# Altium PCB Apalis-Smart-Vision-Baseboard.PcbDoc (part 1 of 6)
Units mm, origin at the board's own origin, x right, y up, seen from the top; angles counter-clockwise.
Board outline 100 x 70 mm, 4 copper layers (Top Layer, Power Plane, Ground Plane, Bottom Layer), stack 1.52 mm thick; 202 components, 197 nets, 1190 pads, 441 vias.
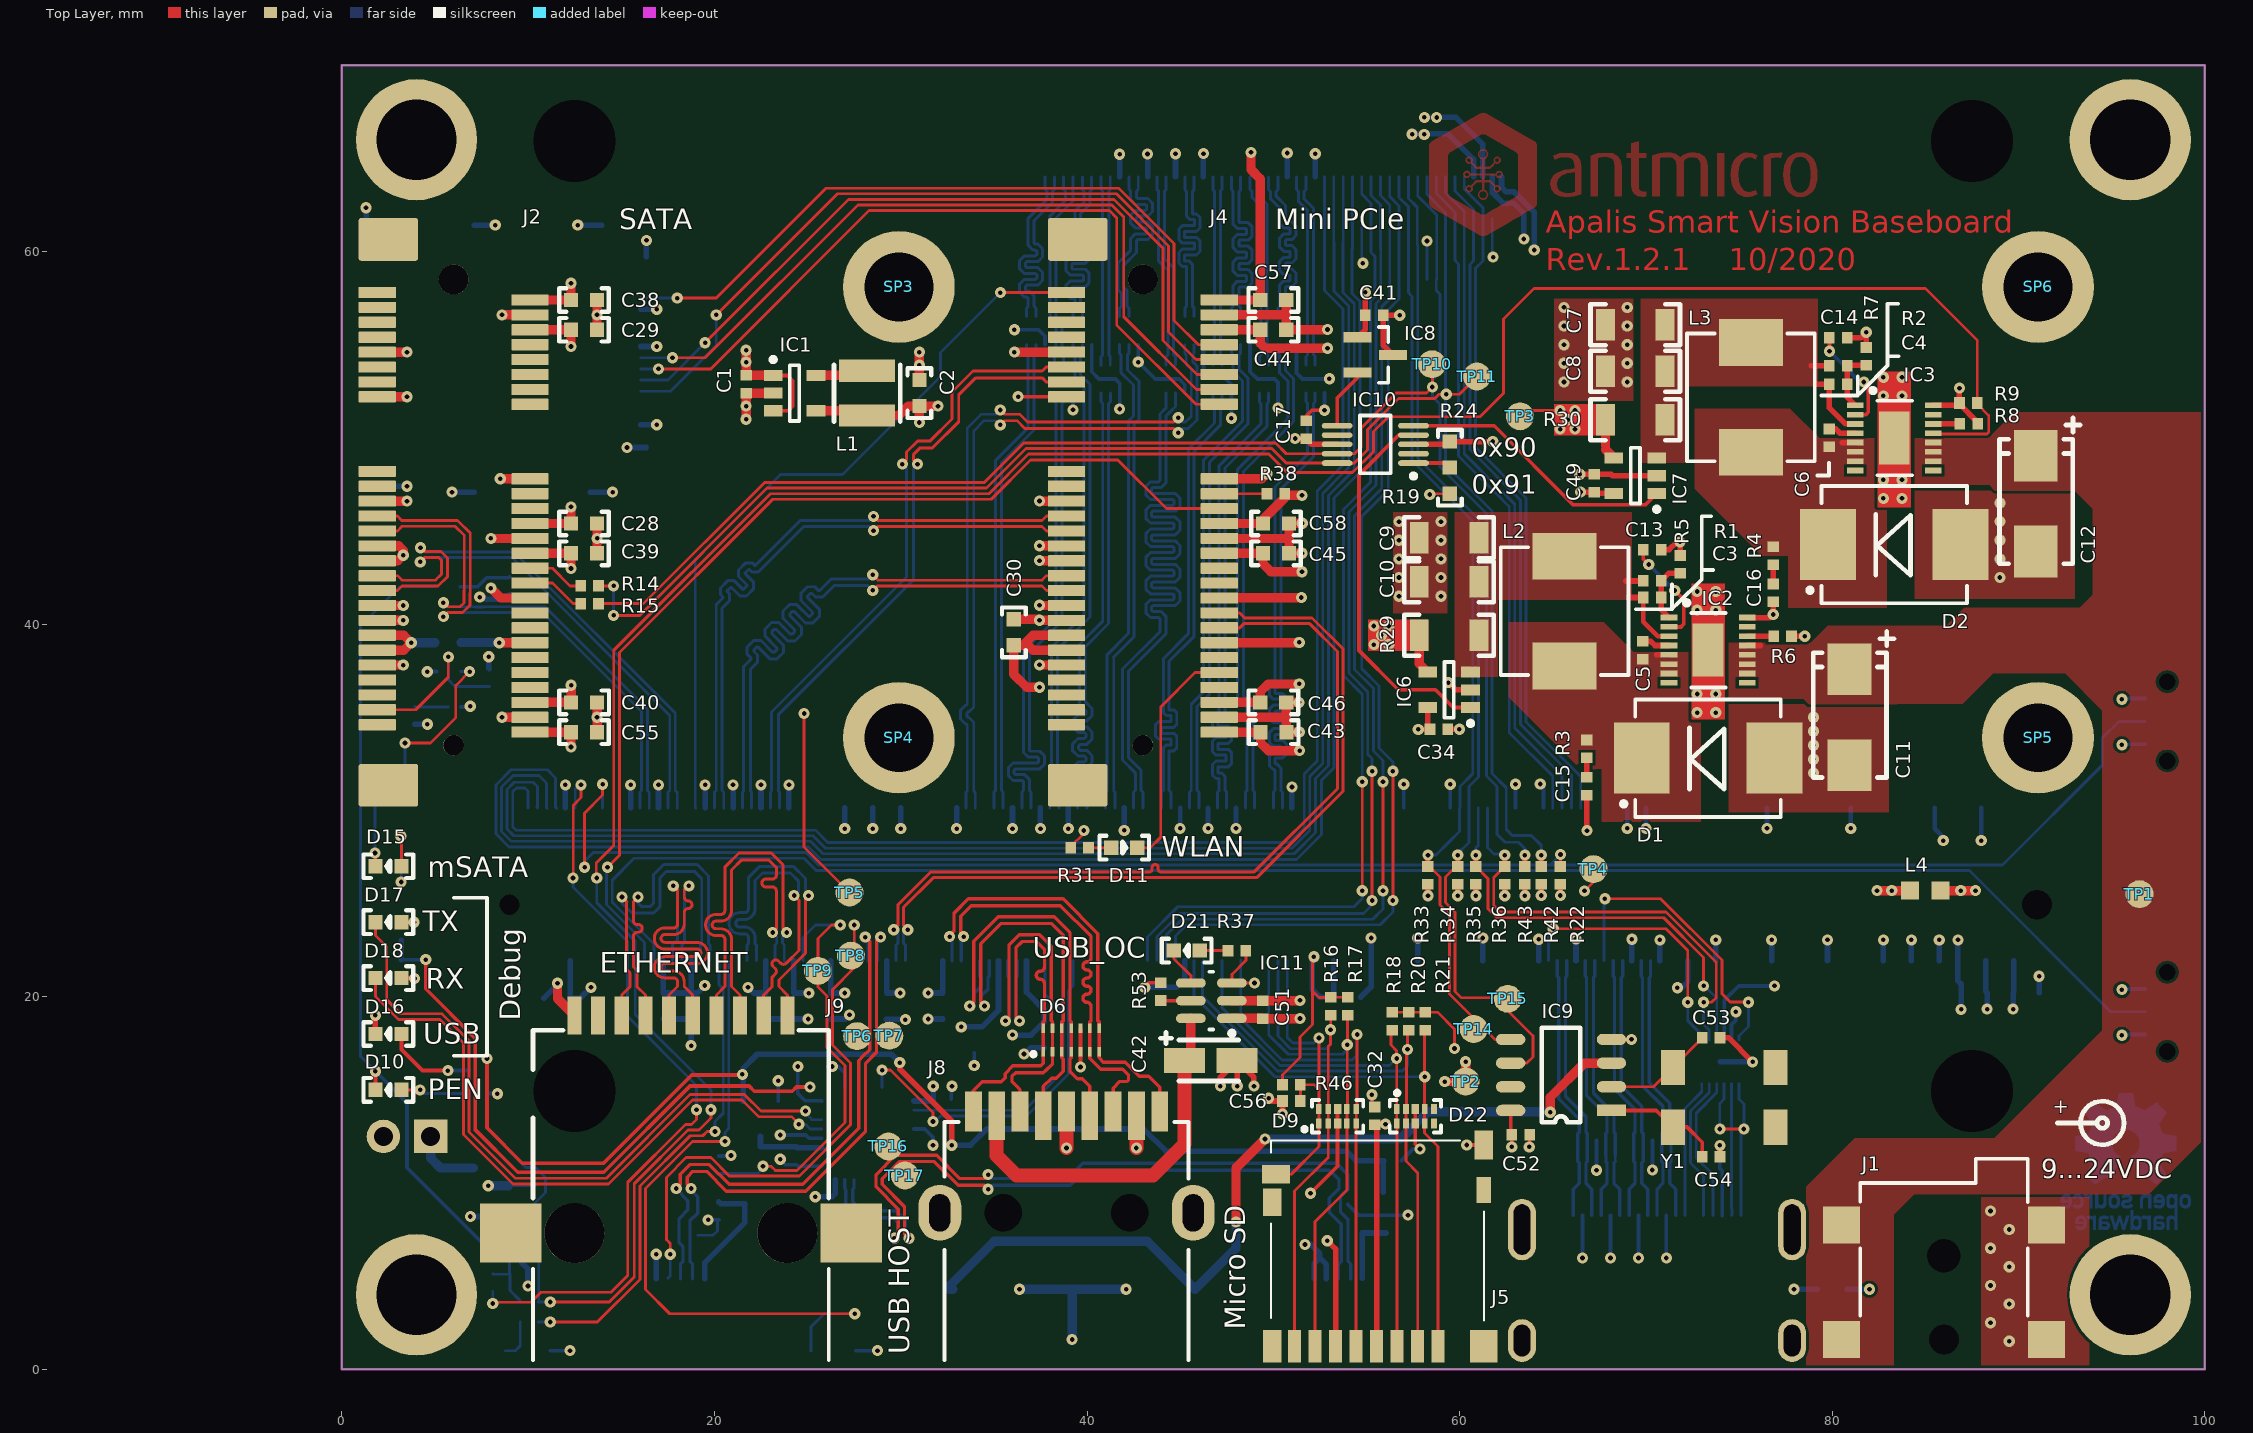
[diagram p0: Top Layer view]
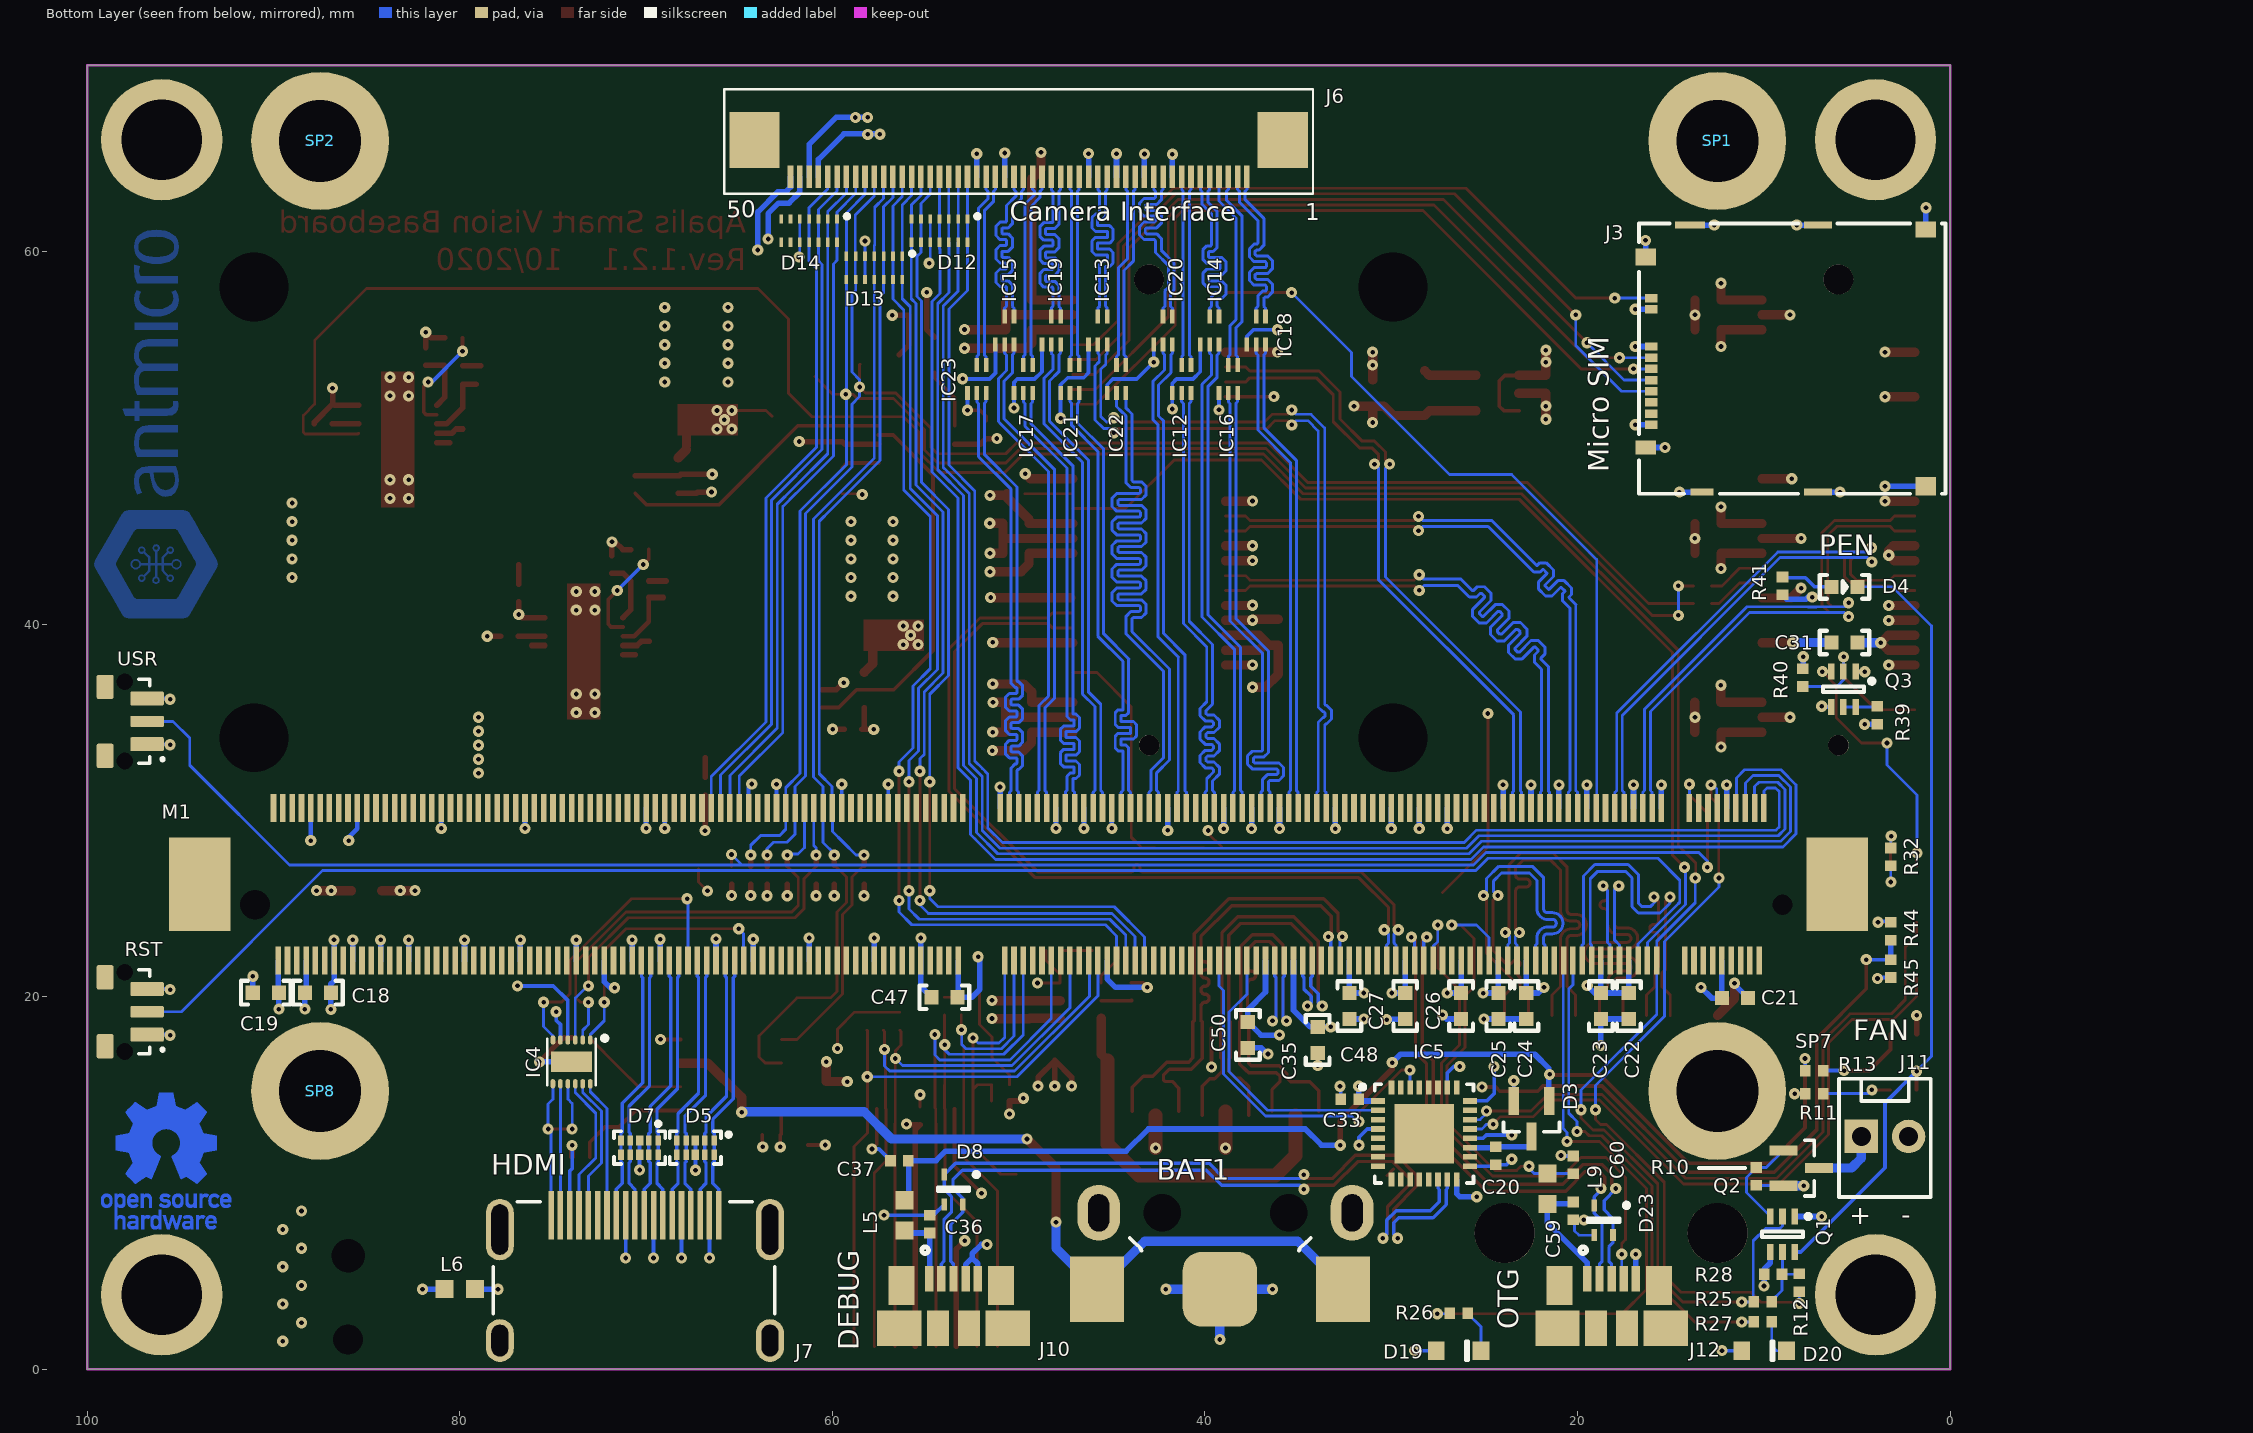
[diagram p1: Bottom Layer view, seen from below]
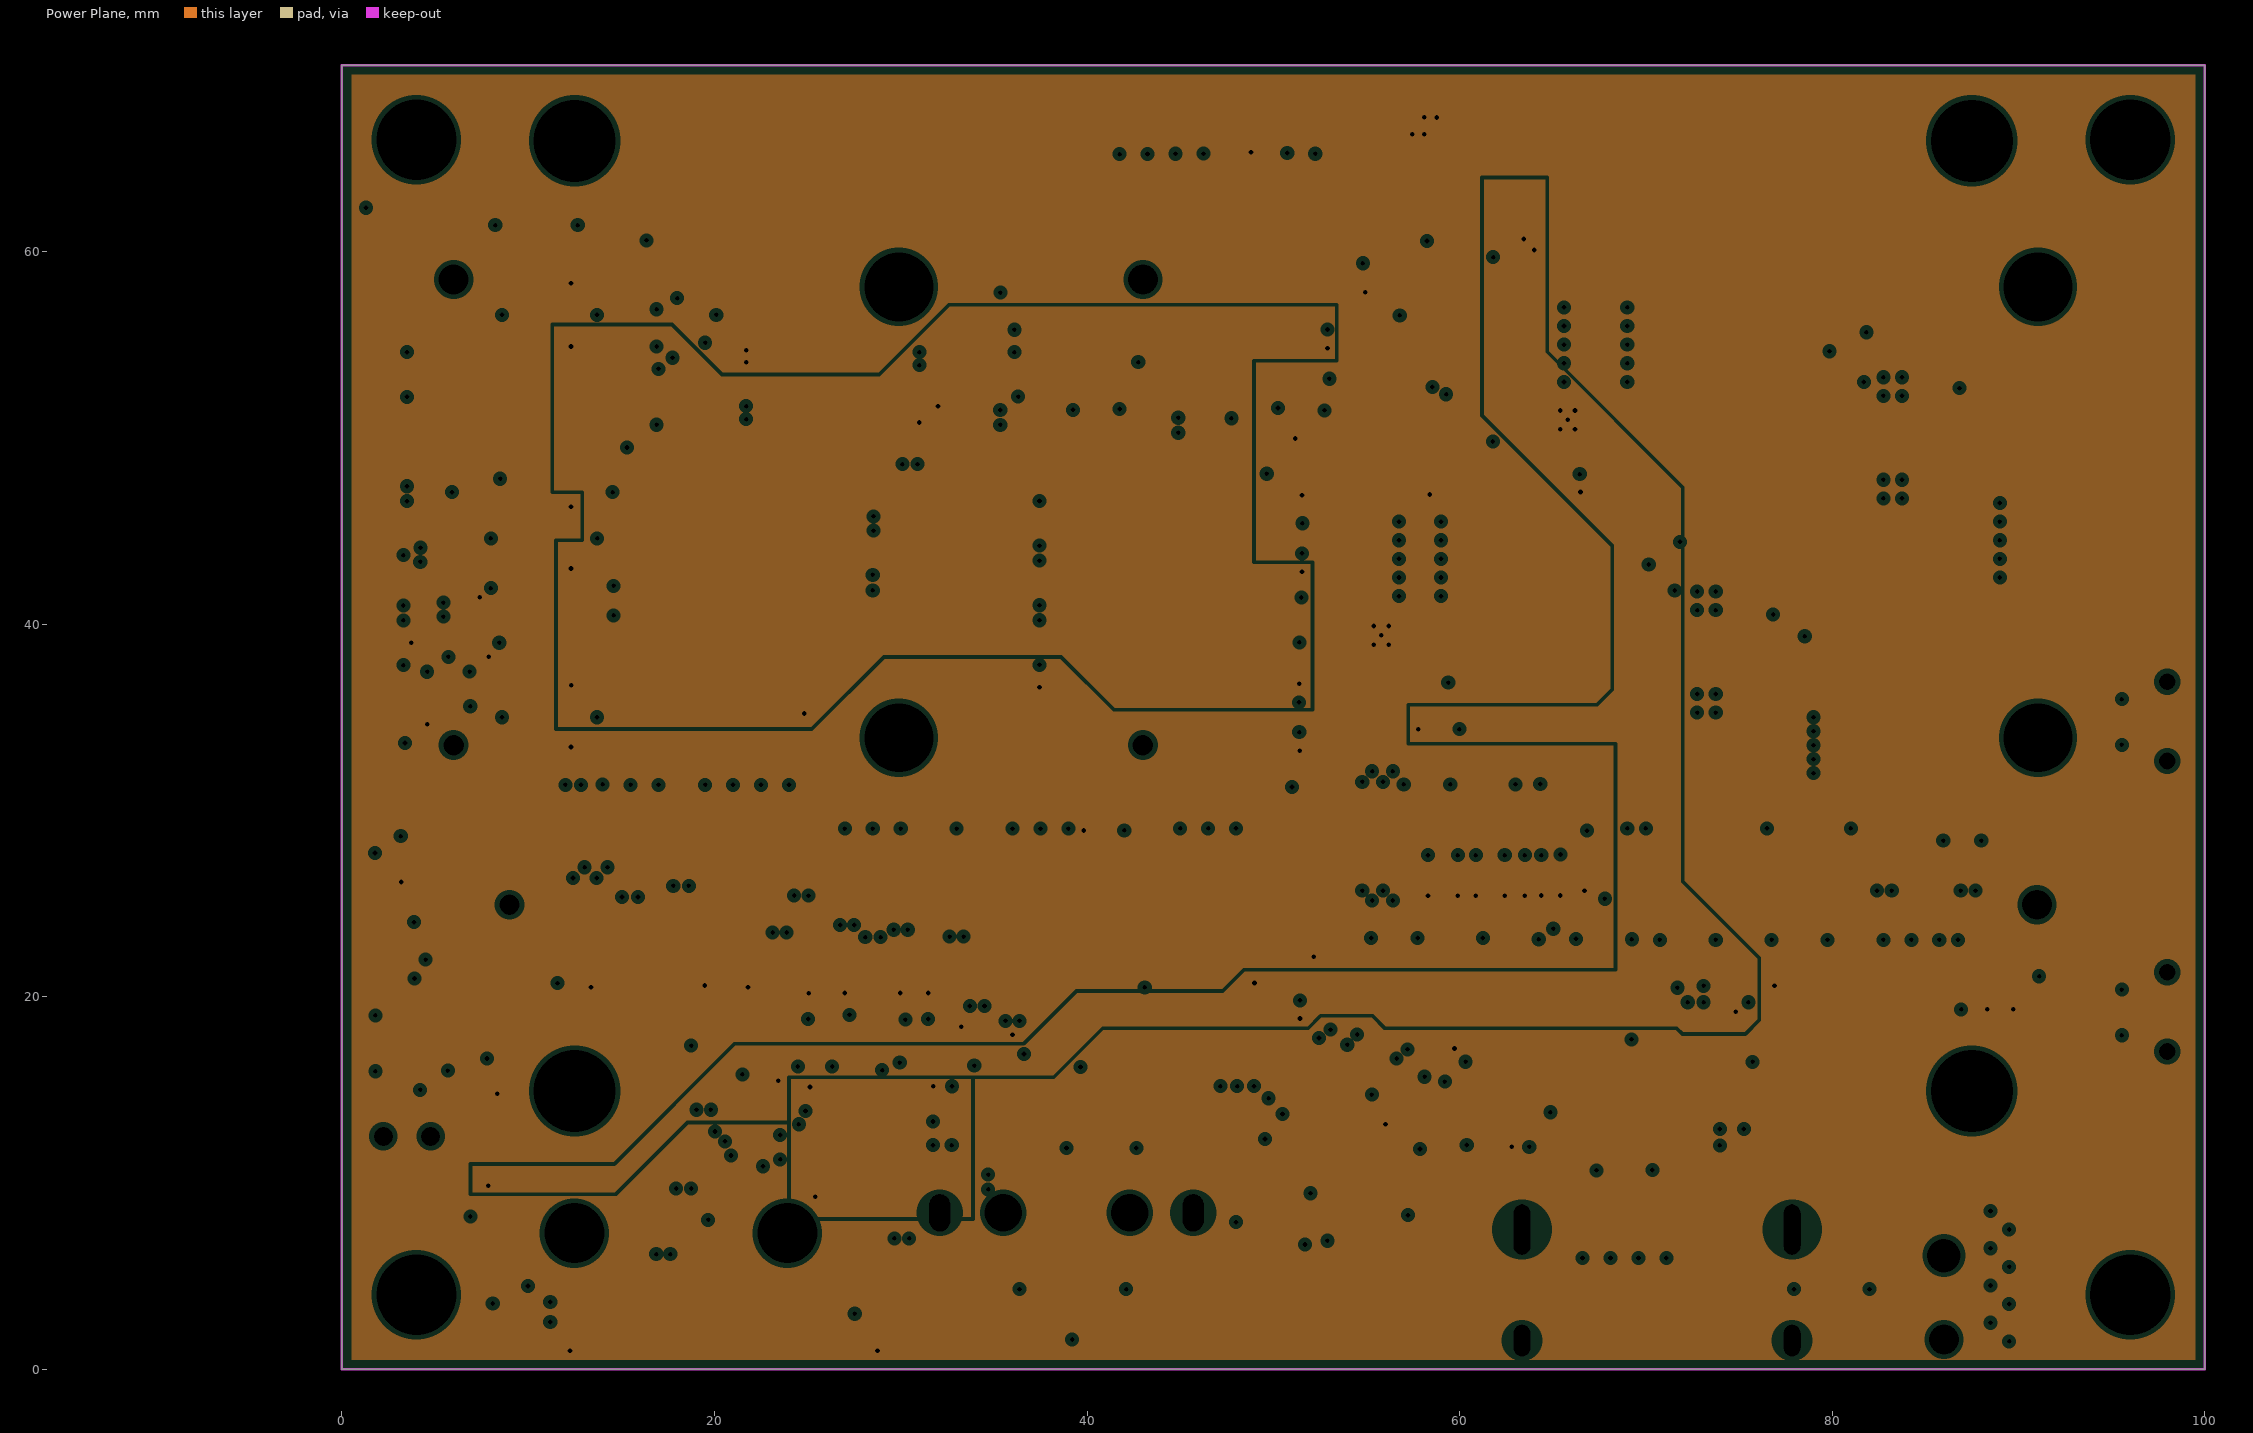
[diagram p2: Power Plane, clearances drawn from the general rule]